# Altium PCB qwq.pcbdoc (part 3 of 3) (continued)
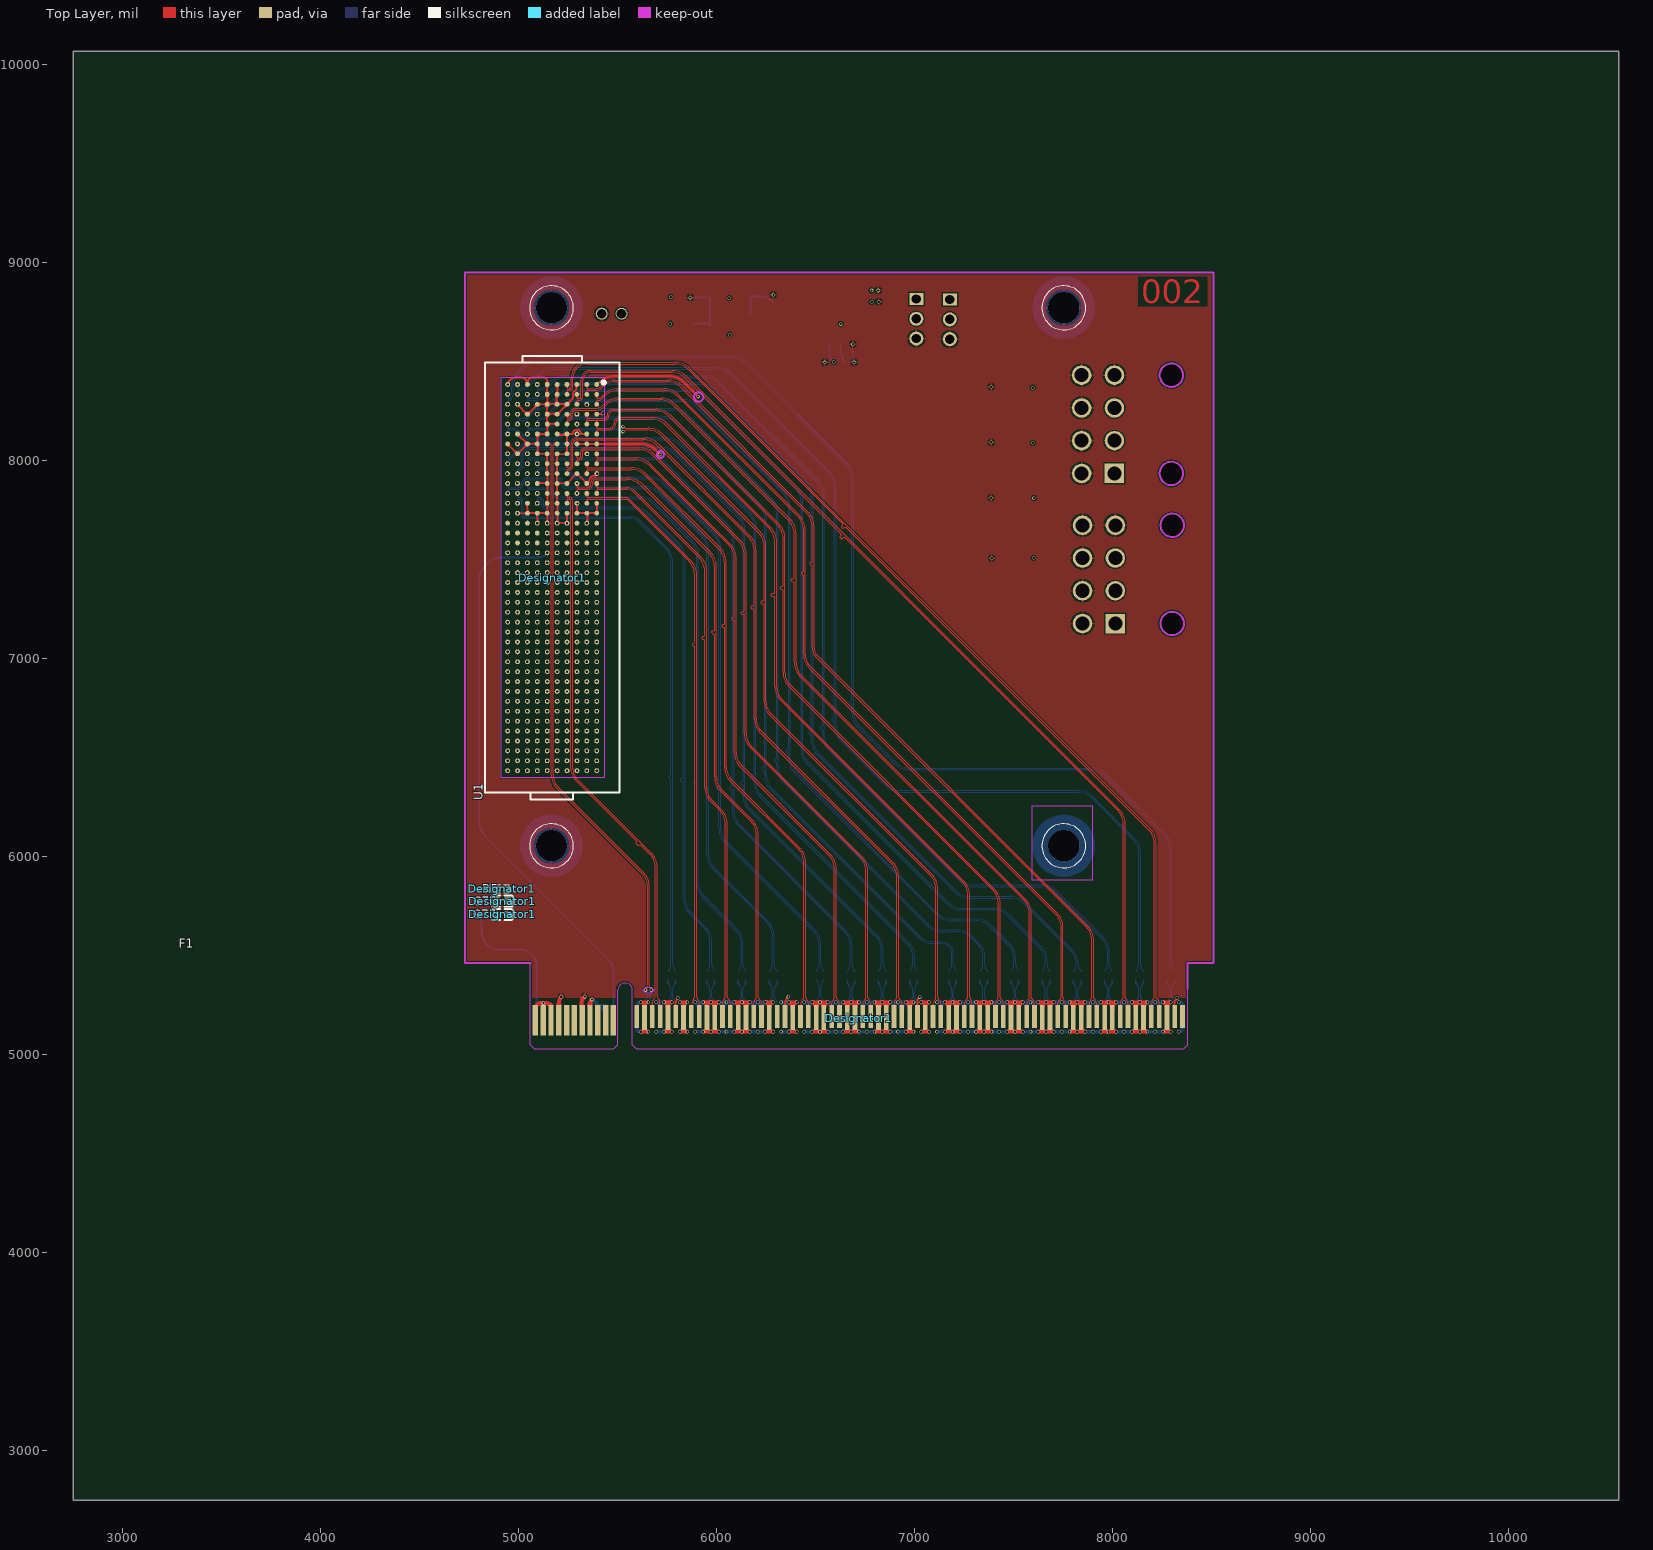
[diagram p0: Top Layer view]
## Nets (pads, with @x,y where several pads share a name; then routed paths per layer and width w, separated by ;. In a path a pad name is that pad's centre, name@x,y a point inside that pad or via, vN(x,y) a via of type N, cw(c..) or ccw(c..) an arc to the next point about the centre after c; other vN are vias at no path point) (continued)
TX1+: Designator1.2@5950.32,5419.39 Designator1.G13 | length 3060.6
  Bottom Layer w5.2: v1(5093.77,7782.76) 5093.77,7796.89 cw(c5100.04,7796.89) 5095.6,7801.33 cw(c5100.04,7796.89) 5100.04,7803.16 5104.56,7803.16 cw(c5104.56,7790.89) 5116.84,7790.89 5116.84,7772.29 ccw(c5133.47,7772.29) 5133.47,7755.66 5582.48,7755.66 cw(c5582.48,7664.86) 5646.69,7729.07 5803.97,7571.79 cw(c5739.76,7507.58) 5830.56,7507.58 5830.56,6398.06 5826.89,6394.38 5822.84,6394.38 5819.16,6390.7 5819.16,6383.06 5822.84,6379.38 5826.89,6379.38 5830.56,6375.7 5830.56,5783.93 ccw(c5930.56,5783.93) 5859.85,5713.22 5938.78,5634.3 cw(c5874.57,5570.09) 5965.37,5570.09 5965.37,5455.74 cw(c5913.97,5455.74) Designator1.2@5950.32,5419.39
TX1-: Designator1.2@5989.63,5419.39 Designator1.G12 | length 3060.9
  Bottom Layer w5.2: v1(5093.77,7832.76) 5093.77,7818.64 ccw(c5100.04,7818.64) 5095.6,7814.2 ccw(c5100.04,7818.64) 5100.04,7812.36 5104.56,7812.36 cw(c5104.56,7790.89) 5126.04,7790.89 5126.04,7772.29 ccw(c5133.47,7772.29) 5133.47,7764.86 5582.48,7764.86 cw(c5582.48,7664.86) 5653.19,7735.57 5810.47,7578.29 cw(c5739.76,7507.58) 5839.76,7507.58 5839.76,5783.93 ccw(c5930.56,5783.93) 5866.36,5719.73 5945.29,5640.8 cw(c5874.57,5570.09) 5974.57,5570.09 5974.57,5455.74 ccw(c6025.98,5455.74) Designator1.2@5989.63,5419.39
TX2+: Designator1.2@6107.77,5419.39 Designator1.H12 | length 3238.3
  Bottom Layer w5.2: v1(5043.77,7832.76) 5043.77,7846.89 cw(c5050.04,7846.89) 5045.6,7851.33 cw(c5050.04,7846.89) 5050.04,7853.16 5147.96,7853.16 cw(c5147.96,7834.83) 5166.3,7834.83 5166.3,7832.92 ccw(c5193.07,7832.92) 5193.07,7806.15 5614.94,7806.15 cw(c5614.94,7715.35) 5679.15,7779.55 5871.54,7587.16 cw(c5807.33,7522.95) 5898.13,7522.95 5898.13,6389.84 5894.46,6386.17 5890.2,6386.17 5886.52,6382.49 5886.52,6374.84 5890.2,6371.17 5894.46,6371.17 5898.13,6367.49 5898.13,5864.8 ccw(c5998.13,5864.8) 5927.42,5794.09 6096.25,5625.26 cw(c6032.04,5561.06) 6122.84,5561.06 6122.84,5455.77 cw(c6071.39,5455.77) Designator1.2@6107.77,5419.39
TX2-: Designator1.2@6147.11,5419.39 Designator1.H11 | length 3238.2
  Bottom Layer w5.2: v1(5043.77,7882.76) 5043.77,7868.64 ccw(c5050.04,7868.64) 5045.6,7864.2 ccw(c5050.04,7868.64) 5050.04,7862.36 5147.96,7862.36 cw(c5147.96,7834.83) 5175.5,7834.83 5175.5,7832.92 ccw(c5193.07,7832.92) 5193.07,7815.35 5614.94,7815.35 cw(c5614.94,7715.35) 5685.65,7786.06 5878.05,7593.67 cw(c5807.33,7522.95) 5907.33,7522.95 5907.33,5864.8 ccw(c5998.13,5864.8) 5933.93,5800.59 6102.75,5631.77 cw(c6032.04,5561.06) 6132.04,5561.06 6132.04,5455.77 ccw(c6183.49,5455.77) Designator1.2@6147.11,5419.39
TX3+: Designator1.2@6265.23,5419.39 Designator1.K12 | length 3500.9
  Bottom Layer w5.2: v1(4943.77,7832.76) 4943.77,7846.89 cw(c4950.04,7846.89) 4945.6,7851.33 cw(c4950.04,7846.89) 4950.04,7853.16 4997.91,7853.16 ccw(c4997.91,7878.4) 5023.15,7878.4 5023.15,7883.19 cw(c5041.8,7883.19) 5041.8,7901.84 5205.42,7901.84 cw(c5205.42,7891.78) 5215.48,7891.78 5215.48,7882.7 ccw(c5241.62,7882.7) 5241.62,7856.56 5644.38,7856.56 cw(c5644.38,7765.76) 5708.58,7829.97 5923.35,7615.2 cw(c5859.15,7550.99) 5949.95,7550.99 5949.95,6377.43 5946.27,6373.76 5943.1,6373.76 5939.43,6370.08 5939.43,6362.43 5943.1,6358.76 5946.27,6358.76 5949.95,6355.08 5949.95,6009.28 ccw(c6049.95,6009.28) 5979.24,5938.57 6253.71,5664.1 cw(c6189.51,5599.89) 6280.31,5599.89 6280.31,5455.8 cw(c6228.82,5455.8) Designator1.2@6265.23,5419.39
TX3-: Designator1.2@6304.59,5419.39 Designator1.K11 | length 3503
  Bottom Layer w5.2: v1(4943.77,7882.76) 4943.77,7868.64 ccw(c4950.04,7868.64) 4945.6,7864.2 ccw(c4950.04,7868.64) 4950.04,7862.36 4997.91,7862.36 ccw(c4997.91,7878.4) 5013.95,7878.4 5013.95,7883.19 cw(c5041.8,7883.19) 5041.8,7911.04 5205.42,7911.04 cw(c5205.42,7891.78) 5224.68,7891.78 5224.68,7882.7 ccw(c5241.62,7882.7) 5241.62,7865.76 5644.38,7865.76 cw(c5644.38,7765.76) 5715.09,7836.47 5929.86,7621.7 cw(c5859.15,7550.99) 5959.15,7550.99 5959.15,6009.28 ccw(c6049.95,6009.28) 5985.74,5945.08 6260.22,5670.6 cw(c6189.51,5599.89) 6289.51,5599.89 6289.51,5455.8 ccw(c6341,5455.8) Designator1.2@6304.59,5419.39
TX4+: Designator1.2@6501.28,5419.39 Designator1.G10 | length 3480.7
  Bottom Layer w5.2: v1(5093.77,7932.76) 5093.77,7946.89 cw(c5100.04,7946.89) 5095.6,7951.33 cw(c5100.04,7946.89) 5100.04,7953.16 5237.84,7953.16 cw(c5237.84,7929.74) 5261.27,7929.74 5261.27,7927.83 ccw(c5282.65,7927.83) 5282.65,7906.44 5665.17,7906.44 cw(c5665.17,7815.64) 5729.37,7879.85 5984.14,7625.08 cw(c5919.94,7560.87) 6010.74,7560.87 6010.74,6356.67 6007.06,6353 6002.87,6353 5999.19,6349.32 5999.19,6341.67 6002.87,6338 6007.06,6338 6010.74,6334.32 6010.74,6139.76 ccw(c6110.74,6139.76) 6040.03,6069.05 6489.76,5619.31 cw(c6425.56,5555.11) 6516.36,5555.11 6516.36,5455.8 cw(c6464.87,5455.8) Designator1.2@6501.28,5419.39
TX4-: Designator1.2@6540.64,5419.39 Designator1.G9 | length 3480.7
  Bottom Layer w5.2: v1(5093.77,7982.76) 5093.77,7968.64 ccw(c5100.04,7968.64) 5095.6,7964.2 ccw(c5100.04,7968.64) 5100.04,7962.36 5237.84,7962.36 cw(c5237.84,7929.74) 5270.47,7929.74 5270.47,7927.83 ccw(c5282.65,7927.83) 5282.65,7915.64 5665.17,7915.64 cw(c5665.17,7815.64) 5735.88,7886.35 5990.65,7631.58 cw(c5919.94,7560.87) 6019.94,7560.87 6019.94,6139.76 ccw(c6110.74,6139.76) 6046.53,6075.56 6496.27,5625.82 cw(c6425.56,5555.11) 6525.56,5555.11 6525.56,5455.8 ccw(c6577.05,5455.8) Designator1.2@6540.64,5419.39
TX5+: Designator1.2@6658.92,5419.39 Designator1.H9 | length 3672.6
  Bottom Layer w5.2: v1(5043.77,7982.76) 5043.77,7996.89 cw(c5050.04,7996.89) 5045.6,8001.33 cw(c5050.04,7996.89) 5050.04,8003.16 5676.69,8003.16 cw(c5676.69,7912.36) 5740.9,7976.57 6051.24,7666.23 cw(c5987.03,7602.02) 6077.83,7602.02 6077.83,6354.64 6074.16,6350.96 6069.66,6350.96 6065.99,6347.28 6065.99,6339.64 6069.66,6335.96 6074.16,6335.96 6077.83,6332.28 6077.83,6227.61 ccw(c6177.83,6227.61) 6107.12,6156.9 6647.31,5616.72 cw(c6583.1,5552.51) 6673.9,5552.51 6673.9,5455.56 cw(c6622.75,5455.56) Designator1.2@6658.92,5419.39
TX5-: Designator1.2@6698.08,5419.39 Designator1.H8 | length 3671.9
  Bottom Layer w5.2: v1(5043.77,8032.76) 5043.77,8018.64 ccw(c5050.04,8018.64) 5045.6,8014.2 ccw(c5050.04,8018.64) 5050.04,8012.36 5676.69,8012.36 cw(c5676.69,7912.36) 5747.41,7983.08 6057.75,7672.74 cw(c5987.03,7602.02) 6087.03,7602.02 6087.03,6227.61 ccw(c6177.83,6227.61) 6113.63,6163.4 6653.81,5623.22 cw(c6583.1,5552.51) 6683.1,5552.51 6683.1,5455.56 ccw(c6734.25,5455.56) Designator1.2@6698.08,5419.39
TX6+: Designator1.2@6816.4,5419.39 Designator1.J10 | length 3951
  Bottom Layer w5.2: v1(4993.77,7932.76) 4993.77,7946.89 cw(c5000.04,7946.89) 4995.6,7951.33 cw(c5000.04,7946.89) 5000.04,7953.16 5004.43,7953.16 ccw(c5004.43,7971.3) 5022.57,7971.3 5022.57,8030.76 cw(c5047.45,8030.76) 5047.45,8055.64 5726.2,8055.64 cw(c5726.2,7964.84) 5790.41,8029.05 6106.01,7713.44 cw(c6041.81,7649.24) 6132.61,7649.24 6132.61,6379.27 6128.93,6375.59 6125.61,6375.59 6121.93,6371.92 6121.93,6364.27 6125.61,6360.59 6128.93,6360.59 6132.61,6356.92 6132.61,6305.42 ccw(c6232.61,6305.42) 6161.9,6234.71 6804.89,5591.72 cw(c6740.69,5527.51) 6831.49,5527.51 6831.49,5455.81 cw(c6779.98,5455.81) Designator1.2@6816.4,5419.39
TX6-: Designator1.2@6855.77,5419.39 Designator1.J9 | length 3952.7
  Bottom Layer w5.2: v1(4993.77,7982.76) 4993.77,7968.64 ccw(c5000.04,7968.64) 4995.6,7964.2 ccw(c5000.04,7968.64) 5000.04,7962.36 5004.43,7962.36 ccw(c5004.43,7971.3) 5013.37,7971.3 5013.37,8030.76 cw(c5047.45,8030.76) 5047.45,8064.84 5726.2,8064.84 cw(c5726.2,7964.84) 5796.92,8035.55 6112.52,7719.95 cw(c6041.81,7649.24) 6141.81,7649.24 6141.81,6305.42 ccw(c6232.61,6305.42) 6168.4,6241.21 6811.4,5598.22 cw(c6740.69,5527.51) 6840.69,5527.51 6840.69,5455.81 ccw(c6892.19,5455.81) Designator1.2@6855.77,5419.39
TX7+: Designator1.2@6974.02,5419.39 Designator1.K9 | length 4081.8
  Bottom Layer w5.2: v1(4943.77,7982.76) 4943.77,7996.89 cw(c4950.04,7996.89) 4945.6,8001.33 cw(c4950.04,7996.89) 4950.04,8003.16 4950.97,8003.16 ccw(c4950.97,8017.35) 4961,8007.32 5014.56,8060.87 cw(c5057.19,8018.24) 5057.19,8078.53 5229.34,8078.53 ccw(c5229.34,8133.43) 5268.16,8094.61 5268.83,8095.28 cw(c5288.34,8075.77) 5288.34,8103.36 5751.65,8103.36 cw(c5751.65,8012.56) 5815.85,8076.77 6162,7730.62 cw(c6097.79,7666.42) 6188.59,7666.42 6188.59,6416.22 6184.92,6412.55 6180.52,6412.55 6176.84,6408.87 6176.84,6401.22 6180.52,6397.55 6184.92,6397.55 6188.59,6393.87 6188.59,6372 ccw(c6288.59,6372) 6217.88,6301.28 6962.51,5556.66 cw(c6898.3,5492.46) 6989.1,5492.46 6989.1,5455.81 cw(c6937.6,5455.81) Designator1.2@6974.02,5419.39
TX7-: Designator1.2@7013.39,5419.39 Designator1.K8 | length 4081.4
  Bottom Layer w5.2: v1(4943.77,8032.76) 4943.77,8018.64 ccw(c4950.04,8018.64) 4945.6,8014.2 ccw(c4950.04,8018.64) 4950.04,8012.36 4950.97,8012.36 ccw(c4950.97,8017.35) 4954.5,8013.82 5008.05,8067.38 cw(c5057.19,8018.24) 5057.19,8087.73 5229.34,8087.73 ccw(c5229.34,8133.43) 5261.65,8101.11 5262.33,8101.78 cw(c5288.34,8075.77) 5288.34,8112.56 5751.65,8112.56 cw(c5751.65,8012.56) 5822.36,8083.27 6168.5,7737.13 cw(c6097.79,7666.42) 6197.79,7666.42 6197.79,6372 ccw(c6288.59,6372) 6224.39,6307.79 6969.01,5563.17 cw(c6898.3,5492.46) 6998.3,5492.46 6998.3,5455.81 ccw(c7049.8,5455.81) Designator1.2@7013.39,5419.39
TX8+: Designator1.2@7170.73,5419.39 Designator1.K6 | length 4357.8
  Bottom Layer w5.2: v1(4943.77,8132.76) 4943.77,8146.89 cw(c4950.04,8146.89) 4945.6,8151.33 cw(c4950.04,8146.89) 4950.04,8153.16 4954.83,8153.16 cw(c4954.83,8087.67) 5001.14,8133.98 5012.48,8122.64 ccw(c5058.75,8168.92) 5058.75,8103.47 5181.15,8103.47 ccw(c5181.15,8151.37) 5215.02,8117.5 5228.05,8130.53 ccw(c5182.6,8175.98) 5246.87,8175.98 5246.87,8176.85 cw(c5271.45,8176.85) 5254.07,8194.23 5266.84,8207 cw(c5274.29,8199.55) 5274.29,8210.09 5737.02,8210.09 cw(c5737.02,8119.29) 5801.22,8183.49 6214.67,7770.05 cw(c6150.46,7705.85) 6241.26,7705.85 6241.26,6454.72 6237.58,6451.04 6233.9,6451.04 6230.22,6447.36 6230.22,6439.72 6233.9,6436.04 6237.58,6436.04 6241.26,6432.36 6241.26,6408.64 ccw(c6341.26,6408.64) 6270.55,6337.93 7018.69,5589.79 ccw(c7089.4,5660.5) 7089.4,5560.5 7132.91,5560.5 cw(c7132.91,5507.6) 7185.82,5507.6 7185.82,5455.81 cw(c7134.31,5455.81) Designator1.2@7170.73,5419.39
TX8-: Designator1.2@7210.1,5419.39 Designator1.K5 | length 4358.7
  Bottom Layer w5.2: v1(4943.77,8182.76) 4943.77,8168.64 ccw(c4950.04,8168.64) 4945.6,8164.2 ccw(c4950.04,8168.64) 4950.04,8162.36 4954.83,8162.36 cw(c4954.83,8087.67) 5007.64,8140.49 5018.99,8129.15 ccw(c5058.75,8168.92) 5058.75,8112.67 5181.15,8112.67 ccw(c5181.15,8151.37) 5208.51,8124.01 5221.54,8137.04 ccw(c5182.6,8175.98) 5237.67,8175.98 5237.67,8176.85 cw(c5271.45,8176.85) 5247.57,8200.74 5260.34,8213.51 cw(c5274.29,8199.55) 5274.29,8219.29 5737.02,8219.29 cw(c5737.02,8119.29) 5807.73,8190 6221.17,7776.56 cw(c6150.46,7705.85) 6250.46,7705.85 6250.46,6408.64 ccw(c6341.26,6408.64) 6277.06,6344.43 7025.2,5596.29 ccw(c7089.4,5660.5) 7089.4,5569.7 7132.91,5569.7 cw(c7132.91,5507.6) 7195.02,5507.6 7195.02,5455.81 ccw(c7246.52,5455.81) Designator1.2@7210.1,5419.39
TX9+: Designator1.2@7328.12,5419.39 Designator1.H6 | length 4379.5
  Bottom Layer w5.2: v1(5043.77,8132.76) 5043.77,8146.89 cw(c5050.04,8146.89) 5045.6,8151.33 cw(c5050.04,8146.89) 5050.04,8153.16 5120.62,8153.16 ccw(c5120.62,8253.16) 5191.33,8182.45 5235.31,8226.43 cw(c5299.51,8162.23) 5299.51,8253.03 5781.02,8253.03 cw(c5781.02,8162.23) 5845.22,8226.43 6274.97,7796.68 cw(c6210.77,7732.48) 6301.57,7732.48 6301.57,6499.37 6297.89,6495.69 6293.43,6495.69 6289.75,6492.01 6289.75,6484.37 6293.43,6480.69 6297.89,6480.69 6301.57,6477.01 6301.57,6452.38 ccw(c6401.57,6452.38) 6330.86,6381.67 7063.37,5649.15 ccw(c7134.08,5719.86) 7134.08,5619.86 7214.54,5619.86 cw(c7214.54,5529.06) 7278.75,5593.27 7319.4,5552.61 cw(c7261.95,5495.16) 7343.2,5495.16 7343.2,5455.8 cw(c7291.71,5455.8) Designator1.2@7328.12,5419.39
TX9-: Designator1.2@7367.48,5419.39 Designator1.H5 | length 4378.9
  Bottom Layer w5.2: v1(5043.77,8182.76) 5043.77,8168.64 ccw(c5050.04,8168.64) 5045.6,8164.2 ccw(c5050.04,8168.64) 5050.04,8162.36 5120.62,8162.36 ccw(c5120.62,8253.16) 5184.82,8188.96 5228.8,8232.94 cw(c5299.51,8162.23) 5299.51,8262.23 5781.02,8262.23 cw(c5781.02,8162.23) 5851.73,8232.94 6281.48,7803.19 cw(c6210.77,7732.48) 6310.77,7732.48 6310.77,6452.38 ccw(c6401.57,6452.38) 6337.36,6388.17 7069.88,5655.66 ccw(c7134.08,5719.86) 7134.08,5629.06 7214.54,5629.06 cw(c7214.54,5529.06) 7285.25,5599.77 7325.91,5559.12 cw(c7261.95,5495.16) 7352.4,5495.16 7352.4,5455.8 ccw(c7403.89,5455.8) Designator1.2@7367.48,5419.39
TX10+: Designator1.2@7485.56,5419.39 Designator1.G5 | length 4496.9
  Bottom Layer w5.2: v1(5093.77,8182.76) 5093.77,8197.03 cw(c5100.04,8197.03) 5095.6,8201.47 cw(c5100.04,8197.03) 5100.04,8203.31 5103.59,8203.31 ccw(c5103.59,8266.15) 5148.03,8221.71 5197.05,8270.74 cw(c5261.26,8206.53) 5261.26,8297.33 5830.5,8297.33 cw(c5830.5,8206.53) 5894.71,8270.74 6335.51,7829.94 cw(c6271.3,7765.73) 6362.1,7765.73 6362.1,6542.48 6358.42,6538.8 6353.48,6538.8 6349.8,6535.12 6349.8,6527.48 6353.48,6523.8 6358.42,6523.8 6362.1,6520.12 6362.1,6493.29 ccw(c6462.1,6493.29) 6391.39,6422.58 7109.76,5704.21 ccw(c7180.47,5774.92) 7180.47,5674.92 7310.43,5674.92 cw(c7310.43,5584.12) 7374.63,5648.32 7474.05,5548.9 cw(c7409.85,5484.7) 7500.65,5484.7 7500.65,5455.8 cw(c7449.15,5455.8) Designator1.2@7485.56,5419.39
TX10-: Designator1.2@7524.93,5419.39 Designator1.G4 | length 4495.4
  Bottom Layer w5.2: v1(5093.58,8233.05) 5093.58,8219.09 ccw(c5100.17,8219.09) 5095.51,8214.44 ccw(c5100.17,8219.09) 5100.17,8212.51 5103.59,8212.51 ccw(c5103.59,8266.15) 5141.52,8228.22 5190.55,8277.24 cw(c5261.26,8206.53) 5261.26,8306.53 5830.5,8306.53 cw(c5830.5,8206.53) 5901.21,8277.24 6342.01,7836.44 cw(c6271.3,7765.73) 6371.3,7765.73 6371.3,6493.29 ccw(c6462.1,6493.29) 6397.9,6429.08 7116.27,5710.71 ccw(c7180.47,5774.92) 7180.47,5684.12 7310.43,5684.12 cw(c7310.43,5584.12) 7381.14,5654.83 7480.56,5555.41 cw(c7409.85,5484.7) 7509.85,5484.7 7509.85,5455.8 ccw(c7561.35,5455.8) Designator1.2@7524.93,5419.39
TX11+: Designator1.2@7643.01,5419.39 Designator1.J5 | length 4773.5
  Bottom Layer w5.2: v1(4993.77,8182.76) 4993.77,8196.89 cw(c5000.04,8196.89) 4995.6,8201.33 cw(c5000.04,8196.89) 5000.04,8203.16 5028.36,8203.16 ccw(c5028.36,8225.53) 5044.17,8209.71 5085.23,8250.78 cw(c5092.94,8243.07) 5092.94,8253.97 5093.84,8253.97 ccw(c5093.84,8353.51) 5164.22,8283.12 5205.26,8324.15 cw(c5263.33,8266.08) 5263.33,8348.21 5868.41,8348.21 cw(c5868.41,8257.41) 5932.61,8321.61 6399.09,7855.13 cw(c6334.88,7790.93) 6425.68,7790.93 6425.68,6582 6422.01,6578.32 6417.63,6578.32 6413.96,6574.64 6413.96,6567 6417.63,6563.32 6422.01,6563.32 6425.68,6559.64 6425.68,6538.57 ccw(c6525.68,6538.57) 6454.97,6467.86 7164.17,5758.67 ccw(c7234.88,5829.38) 7234.88,5729.38 7400.83,5729.38 cw(c7400.83,5638.58) 7465.04,5702.78 7631.58,5536.24 cw(c7567.38,5472.03) 7658.18,5472.03 7658.18,5455.99 cw(c7606.41,5455.99) Designator1.2@7643.01,5419.39
TX11-: Designator1.2@7682.54,5419.39 Designator1.J4 | length 4773.2
  Bottom Layer w5.2: v1(4993.77,8232.76) 4993.77,8218.64 ccw(c5000.04,8218.64) 4995.6,8214.2 ccw(c5000.04,8218.64) 5000.04,8212.36 5028.36,8212.36 ccw(c5028.36,8225.53) 5037.67,8216.22 5078.73,8257.28 cw(c5092.94,8243.07) 5092.94,8263.17 5093.84,8263.17 ccw(c5093.84,8353.51) 5157.72,8289.63 5198.75,8330.66 cw(c5263.33,8266.08) 5263.33,8357.41 5868.41,8357.41 cw(c5868.41,8257.41) 5939.12,8328.12 6405.6,7861.64 cw(c6334.88,7790.93) 6434.88,7790.93 6434.88,6538.57 ccw(c6525.68,6538.57) 6461.48,6474.37 7170.67,5765.17 ccw(c7234.88,5829.38) 7234.88,5738.58 7400.83,5738.58 cw(c7400.83,5638.58) 7471.54,5709.29 7638.09,5542.74 cw(c7567.38,5472.03) 7667.38,5472.03 7667.38,5455.99 ccw(c7719.15,5455.99) Designator1.2@7682.54,5419.39
TX12+: Designator1.2@7800.65,5419.39 Designator1.H3 | length 4847
  Bottom Layer w5.2: v1(5043.77,8282.76) 5043.77,8296.89 cw(c5050.04,8296.89) 5045.6,8301.33 cw(c5050.04,8296.89) 5050.04,8303.16 5083.56,8303.16 ccw(c5083.56,8403.16) 5154.27,8332.45 5178.26,8356.45 cw(c5242.46,8292.24) 5242.46,8383.04 5907.49,8383.04 cw(c5907.49,8292.24) 5971.7,8356.45 6451.09,7877.06 cw(c6386.88,7812.85) 6477.68,7812.85 6477.68,6636.4 6474.01,6632.72 6469.47,6632.72 6465.79,6629.05 6465.79,6621.4 6469.47,6617.72 6474.01,6617.72 6477.68,6614.05 6477.68,6584.47 ccw(c6577.68,6584.47) 6506.97,6513.76 7202.24,5818.49 ccw(c7272.95,5889.2) 7272.95,5789.2 7483.44,5789.2 cw(c7483.44,5698.4) 7547.64,5762.61 7789.14,5521.11 cw(c7724.94,5456.91) 7815.74,5456.91 7815.74,5455.81 cw(c7764.23,5455.81) Designator1.2@7800.65,5419.39
TX12-: Designator1.2@7840.02,5419.39 Designator1.H2 | length 4846.3
  Bottom Layer w5.2: v1(5043.77,8332.76) 5043.77,8318.64 ccw(c5050.04,8318.64) 5045.6,8314.2 ccw(c5050.04,8318.64) 5050.04,8312.36 5083.56,8312.36 ccw(c5083.56,8403.16) 5147.76,8338.96 5171.75,8362.95 cw(c5242.46,8292.24) 5242.46,8392.24 5907.49,8392.24 cw(c5907.49,8292.24) 5978.2,8362.95 6457.59,7883.56 cw(c6386.88,7812.85) 6486.88,7812.85 6486.88,6584.47 ccw(c6577.68,6584.47) 6513.48,6520.27 7208.75,5825 ccw(c7272.95,5889.2) 7272.95,5798.4 7483.44,5798.4 cw(c7483.44,5698.4) 7554.15,5769.12 7795.65,5527.62 cw(c7724.94,5456.91) 7824.94,5456.91 7824.94,5455.81 ccw(c7876.44,5455.81) Designator1.2@7840.02,5419.39
TX13+: Designator1.2@7958.12,5419.39 Designator1.G2 | length 4992.9
  Bottom Layer w5.2: v1(5093.77,8332.76) 5093.77,8346.89 cw(c5100.04,8346.89) 5095.6,8351.33 cw(c5100.04,8346.89) 5100.04,8353.16 5103.57,8353.16 ccw(c5103.57,8414.52) 5146.95,8371.13 5166.04,8390.22 cw(c5230.25,8326.02) 5230.25,8416.82 5948.78,8416.82 cw(c5948.78,8342.01) 6001.68,8394.91 6507.52,7889.07 cw(c6443.31,7824.86) 6534.11,7824.86 6534.11,6661.03 6530.44,6657.36 6525.41,6657.36 6521.73,6653.68 6521.73,6646.03 6525.41,6642.36 6530.44,6642.36 6534.11,6638.68 6534.11,6609.5 ccw(c6634.11,6609.5) 6563.4,6538.79 7225.21,5876.98 ccw(c7295.92,5947.69) 7295.92,5847.69 7642.99,5847.69 cw(c7642.99,5756.89) 7707.19,5821.1 7946.61,5581.68 cw(c7882.41,5517.47) 7973.21,5517.47 7973.21,5455.82 cw(c7921.68,5455.82) Designator1.2@7958.12,5419.39
TX13-: Designator1.2@7997.5,5419.39 Designator1.G1 | length 4991.2
  Bottom Layer w5.2: v1(5093.77,8382.76) 5093.77,8368.64 ccw(c5100.04,8368.64) 5095.6,8364.2 ccw(c5100.04,8368.64) 5100.04,8362.36 5103.57,8362.36 ccw(c5103.57,8414.52) 5140.45,8377.64 5159.54,8396.73 cw(c5230.25,8326.02) 5230.25,8426.02 5948.78,8426.02 cw(c5948.78,8342.01) 6008.18,8401.41 6514.02,7895.57 cw(c6443.31,7824.86) 6543.31,7824.86 6543.31,6609.5 ccw(c6634.11,6609.5) 6569.91,6545.3 7231.72,5883.49 ccw(c7295.92,5947.69) 7295.92,5856.89 7642.99,5856.89 cw(c7642.99,5756.89) 7713.7,5827.61 7953.12,5588.18 cw(c7882.41,5517.47) 7982.41,5517.47 7982.41,5455.82 ccw(c8033.94,5455.82) Designator1.2@7997.5,5419.39
TX14+: Designator1.2@8115.61,5419.39 Designator1.J2 | length 5573.4
  Bottom Layer w5.2: v1(4993.77,8332.76) 4993.77,8346.89 cw(c5000.04,8346.89) 4995.6,8351.33 cw(c5000.04,8346.89) 5000.04,8353.16 5003.61,8353.16 ccw(c5003.61,8417.4) 5049.03,8371.98 5111.01,8433.95 cw(c5175.21,8369.75) 5175.21,8460.55 6002.41,8460.55 cw(c6002.41,8369.75) 6066.62,8433.95 6566.83,7933.74 cw(c6502.62,7869.53) 6593.42,7869.53 6593.42,6702.57 6589.74,6698.89 6587.02,6698.89 6583.34,6695.22 6583.34,6687.57 6587.02,6683.89 6589.74,6683.89 6593.42,6680.22 6593.42,6657.01 ccw(c6693.42,6657.01) 6622.71,6586.3 6855.11,6353.91 ccw(c6925.82,6424.62) 6925.82,6324.62 7825.36,6324.62 cw(c7825.36,6233.82) 7889.57,6298.02 8103.98,6083.61 cw(c8039.77,6019.41) 8130.57,6019.41 8130.57,5455.51 cw(c8079.49,5455.51) Designator1.2@8115.61,5419.39
TX14-: Designator1.2@8154.74,5419.39 Designator1.J1 | length 5576.3
  Bottom Layer w5.2: v1(4993.77,8382.76) 4993.77,8368.64 ccw(c5000.04,8368.64) 4995.6,8364.2 ccw(c5000.04,8368.64) 5000.04,8362.36 5003.61,8362.36 ccw(c5003.61,8417.4) 5042.53,8378.48 5104.5,8440.46 cw(c5175.21,8369.75) 5175.21,8469.75 6002.41,8469.75 cw(c6002.41,8369.75) 6073.12,8440.46 6573.33,7940.25 cw(c6502.62,7869.53) 6602.62,7869.53 6602.62,6657.01 ccw(c6693.42,6657.01) 6629.22,6592.81 6861.61,6360.41 ccw(c6925.82,6424.62) 6925.82,6333.82 7825.36,6333.82 cw(c7825.36,6233.82) 7896.07,6304.53 8110.48,6090.12 cw(c8039.77,6019.41) 8139.77,6019.41 8139.77,5455.51 ccw(c8190.86,5455.51) Designator1.2@8154.74,5419.39
TX15+: Designator1.2@8273.1,5419.39 Designator1.K3 | length 5899.3
  Bottom Layer w5.2: v1(4943.77,8282.76) 4943.77,8296.89 cw(c4950.04,8296.89) 4945.6,8301.33 cw(c4950.04,8296.89) 4950.04,8303.16 ccw(c4950.04,8318.64) 4960.99,8307.7 ccw(c4932.5,8336.18) 4972.79,8336.18 4972.79,8373.48 cw(c5063.59,8373.48) 4999.38,8437.69 5052.63,8490.94 cw(c5116.84,8426.73) 5116.84,8517.53 6077.41,8517.53 cw(c6077.41,8426.73) 6141.61,8490.94 6655.8,7976.75 cw(c6591.6,7912.54) 6682.4,7912.54 6682.4,6790.33 6678.72,6786.66 6674.01,6786.66 6670.33,6782.98 6670.33,6775.33 6674.01,6771.66 6678.72,6771.66 6682.4,6767.98 6682.4,6723.77 ccw(c6782.4,6723.77) 6711.69,6653.06 6898.53,6466.22 ccw(c6969.24,6536.93) 6969.24,6436.93 7887.96,6436.93 cw(c7887.96,6346.13) 7952.16,6410.34 8261.59,6100.91 cw(c8197.39,6036.7) 8288.19,6036.7 8288.19,5455.81 cw(c8236.68,5455.81) Designator1.2@8273.1,5419.39
TX15-: Designator1.2@8312.47,5419.39 Designator1.K2 | length 5898.2
  Bottom Layer w5.2: v1(4943.77,8332.76) 4943.77,8318.64 ccw(c4950.04,8318.64) 4945.6,8314.2 ccw(c4950.04,8318.64) 4950.04,8312.36 ccw(c4950.04,8318.64) 4954.48,8314.2 ccw(c4932.5,8336.18) 4963.59,8336.18 4963.59,8373.48 cw(c5063.59,8373.48) 4992.88,8444.19 5046.12,8497.44 cw(c5116.84,8426.73) 5116.84,8526.73 6077.41,8526.73 cw(c6077.41,8426.73) 6148.12,8497.44 6662.31,7983.25 cw(c6591.6,7912.54) 6691.6,7912.54 6691.6,6723.77 ccw(c6782.4,6723.77) 6718.19,6659.57 6905.03,6472.73 ccw(c6969.24,6536.93) 6969.24,6446.13 7887.96,6446.13 cw(c7887.96,6346.13) 7958.67,6416.84 8268.1,6107.41 cw(c8197.39,6036.7) 8297.39,6036.7 8297.39,5455.81 ccw(c8348.89,5455.81) Designator1.2@8312.47,5419.39
pads on no net: Designator1.6@5665.59,8679.53 Designator1.6@5665.59,8824.81 Designator1.A5@5241.57,5173.35 Designator1.A6@5280.94,5173.35 Designator1.A7@5320.31,5173.35 Designator1.A8@5359.68,5173.35 Designator1.A15@5393.77,7682.76 Designator1.A16@5393.77,7632.76 Designator1.A19@5871.49,5191.27 Designator1.A32@6383.3,5191.27 Designator1.A33@6422.67,5191.27 Designator1.A50 Designator1.B5@5241.57,5173.35 Designator1.B6@5280.94,5173.35 Designator1.B9@5399.05,5173.35 Designator1.B10@5438.42,5173.35 Designator1.B11@5477.79,5173.35 Designator1.B12@5595.9,5191.27 Designator1.B16@5343.77,7632.76 Designator1.B17@5343.77,7582.76 Designator1.B30@6304.56,5191.27 Designator1.B82 Designator1.C15 Designator1.C16 Designator1.D16 Designator1.D17 Designator1.G16 Designator1.G17 Designator1.H15 Designator1.H16 Designator1.J16 Designator1.J17 Designator1.K15 Designator1.K16

## Polygon pours and split planes (outlines as drawn)
+12V on Inner3 "Inner3-+12V" (solid, remove dead copper, pour order 10): 4858.69,5801.49 4908.69,5801.49 4908.69,5679.19 4858.69,5679.19
+1V8 on Inner3 "Inner3-+1V8" (solid, pour order 14): 6944.79,8872.14 7237.36,8872.14 7237.36,8759.35 6944.79,8759.35
+5V on Inner3 "Inner3-+5V" (solid, remove dead copper, pour order 15): 4920.27,7462.01 5174.61,7462.01 5174.61,7407.97 4920.27,7407.97
+12V on Inner3 "Inner3-+12V 1" (solid, remove dead copper, pour order 16): 6029.9,8852.56 6099.27,8852.56 6099.27,8609.01 6029.9,8609.01
+5V on Inner3 "Inner3-+5V 1" (solid, remove dead copper, pour order 17): 5551.17,8862.08 6555.33,8862.08 cw(c6555.33,8802.08) 6615.33,8802.08 6615.33,8499.82 cw(c6555.33,8499.82) 6555.33,8439.82 5551.17,8439.82 cw(c5551.17,8499.82) 5491.17,8499.82 5491.17,8802.08 cw(c5551.17,8802.08)
GND on Inner3 "Inner3-GND" (solid, remove dead copper, pour order 18): 4505.21,9132.8 9161.78,9132.8 9161.78,5273.87 4505.21,5273.87
+12V on Inner3 "Inner3-+12V 2" (solid, remove dead copper, pour order 19): 4841.27,7408.98 5561.04,7408.98 5561.04,7408.64 7427.15,8551.91 cw(c7450.66,8513.53) 7450.66,8558.53 8157.73,8558.53 cw(c8157.73,8513.53) 8202.73,8513.53 8202.73,7021.99 cw(c8157.73,7021.99) 8157.73,6976.99 7452.25,6976.99 ccw(c7452.25,6931.99) 7428.81,6970.4 5571.74,5837.3 cw(c5548.3,5875.71) 5548.5,5830.71 4841.47,5827.63 cw(c4841.27,5872.63) 4796.27,5872.63 4796.27,7363.98 cw(c4841.27,7363.98)
GND on Mid-Layer 4 "Mid-Layer 4-GND" (solid, pour order 11): 4190.46,9261.4 8781.57,9261.4 8781.57,5254.48 4190.46,5254.48
GND on Inner1 "Inner1-GND" (solid, pour order 13): 4651.41,9019.08 8697.35,9019.08 8697.35,5254.5 4651.41,5254.5
GND on Bottom Layer "Bottom Layer-GND" (solid, remove dead copper, pour order 12): 4238.9,9315.87 9073.28,9315.87 9073.28,5277.46 4238.9,5277.46
GND on Top Layer "Top Layer-GND" (solid, remove dead copper, pour order 9): 4530.9,9118.75 8659.05,9118.75 8659.05,5286.94 4530.9,5286.94

## Keep-outs
Top Layer:
  circle w10: c5908.06,8319.52 r23.76
  circle w10: c5715.13,8028.7 r17.68
  region: 4910.86,8418.14 5430.48,8418.14 5430.48,6397.38 4910.86,6397.38 4910.86,8418.14
  region: 7593.18,6255.44 7896.3,6255.44 7896.3,5880.16 7593.18,5880.16 7593.18,6255.44
Bottom Layer:
  circle w10: c5697.09,8040.61 r40.77
  region: 4924.06,8420.57 5447.78,8420.57 5447.78,6379.44 4924.06,6379.44 4924.06,8420.57
  region: 5893.5,8329.53 5918.85,8329.53 5918.85,8304.18 5893.5,8304.18 5893.5,8329.53
Board Outline Layer:
  region: 5684.66,5324.93 5669.81,5310.08 5640.1,5310.08 5625.25,5324.93 5640.1,5339.78 5669.81,5339.78
  lines w10: 8376.78,5330.88 8376.88,5330.88 8376.88,5461.22 ; 8376.78,5461.22 8376.88,5461.22 ; 5056.15,5461.22 5056.15,5460.11 5058.45,5460.11 5058.45,5461.22 5056.15,5461.22 ; 5056.15,5461.22 4727.76,5461.22 4727.76,8948.36 8506.95,8948.36 8506.95,5461.22 8376.88,5461.22

## Other copper
Top Layer:
  text "002" at 8143,8793 h120

## Silkscreen, mask and mechanical layers (free items; w line width, h text height)
Mechanical 6:
  text "1425.23 (mil)" at 5172.9,8916.03 h60
  text "261.548 (mil)" at 6075.21,8731.72 h60 r23.7
  text "3913.543 (mil)" at 6585.06,7372.27 h60 r270.06
  text "2419.822 (mil)" at 9594.06,7361.24 h60 r90
  text "3818.898 (mil)" at 3008.3,6922.59 h60 r90
  text "4375.984 (mil)" at 2882.87,6832.21 h60 r90
  text "3919.382 (mil)" at 6196.46,6611.46 h60 r90
  text "2122.047 (mil)" at 3167.75,6074.17 h60 r90
  text "800.722 (mil)" at 3408.21,5425.8 h60 r23.2
  text "5794.377 (mil)" at 5797.65,5107.84 h60
  text "5721.605 (mil)" at 5877.02,5092.49 h60 r0.53
  text "501.332 (mil)" at 3185.56,5057.01 h60 r5.01
  text "400.361 (mil)" at 3355.93,5033.13 h60 r66.8
  text "0 (mil)" at 5979.53,4871.16 h60
  text "5511.81 (mil)" at 6117.72,2575.69 h60

## Text inside footprints (layer, text, board x,y; h text height)
Designator1: Top Silkscreen Layer "R5" at 4815.42,5814.23 h45
Designator1: Top Silkscreen Layer "C77" at 4767.69,5684.39 h45
Designator1: Top Silkscreen Layer "C75" at 4770.45,5750.74 h45
Designator1: Top Silkscreen Layer "U1" at 4818.77,6282.76 h45 r90
Designator1: Top Silkscreen Layer "F1" at 3283.85,5539.82 h45
Designator1: Mechanical Layer "27.3" at 3000,9163.21 h179.92 r180; Mechanical Layer "26.8" at 3000,8833.49 h179.92 r180; Mechanical Layer "41.7" at 3000,5834.92 h179.92 r180; Mechanical Layer "41.2" at 3000,6156.33 h179.92 r180; Mechanical Layer "129.25" at 3573.1,9811.14 h184.79 r180; Mechanical Layer "129.25" at 3832.16,5340.27 h184.79 r180; Mechanical Layer "126.75" at 4686.22,9520.14 h184.79 r180; Mechanical Layer "96.6" at 5084.48,9808.47 h179.92 r180; Mechanical Layer "96.6" at 5117.6,5337.6 h179.92 r180; Mechanical Layer "30.9" at 7671.09,9808.47 h179.92 r180; Mechanical Layer "30.9" at 7704.21,5337.6 h179.92 r180; Mechanical Layer "0" at 8734.41,9815.9 h193.51 r180; Mechanical Layer "1.75" at 8956.52,9808.47 h179.92 r180; Mechanical Layer "1.75" at 8989.64,5337.6 h179.92 r180; Mechanical Layer "41.2" at 9944.93,6156.33 h179.92 r180; Mechanical Layer "41.7" at 9944.93,5819.89 h179.92 r180; Mechanical Layer "26.8" at 9944.93,8833.49 h179.92 r180; Mechanical Layer "27.3" at 9944.93,9162.48 h179.92 r180; Bottom Silkscreen Layer "U9" at 4723.57,7301.95 h45 r180; Mechanical 6 "68.898" at 8235.93,5773.69 h59.69 r180; Mechanical 6 "1.75" at 8285.43,5673.44 h59.23 r180; Mechanical 6 "246.063" at 8222.43,5552.76 h59.82 r180; Mechanical 6 "6.25" at 8297.43,5452.44 h59.23 r180; Mechanical 6 "1597.244" at 8305.93,4802.81 h59.91 r180; Mechanical 6 "3422.441" at 8305.93,4481.81 h59.91 r180; Mechanical 6 "3803.150" at 8323.93,4201.81 h59.91 r180; Mechanical 6 "86.93" at 8380.93,4381.59 h59.51 r180; Mechanical 6 "4990.158" at 8332.93,3677.81 h59.91 r180; Mechanical 6 "40.57" at 8380.93,4702.59 h59.51 r180; Mechanical 6 "4178.346" at 8332.93,3930.81 h59.91 r180; Mechanical 6 "106.13" at 8382.43,3830.69 h59.69 r180; Mechanical 6 "5088.583" at 8332.93,3424.81 h59.91 r180; Mechanical 6 "129.25" at 8382.43,3324.69 h59.69 r180; Mechanical 6 "126.75" at 8382.43,3577.69 h59.69 r180; Mechanical 6 "1216.535" at 8354.93,5042.81 h59.91 r180; Mechanical 6 "96.6" at 8424.43,4101.44 h59.23 r180; Mechanical 6 "5265.748" at 8346.93,3159.81 h59.91 r180; Mechanical 6 "133.75" at 8396.43,3059.69 h59.69 r180; Mechanical 6 "30.9" at 8455.43,4942.44 h59.23 r180; Mechanical 6 "835.827" at 8407.43,5286.76 h59.82 r180; Mechanical 6 "21.23" at 8456.93,5186.59 h59.51 r180; Mechanical 6 "22.2" at 9418.6,8263 h59.23 r90; Mechanical 6 "36.6" at 9418.6,7063 h59.23 r90; Mechanical 6 "874.016" at 9518.92,8338 h59.82 r90; Mechanical 6 "1440.945" at 9518.97,7163.5 h59.91 r90; Mechanical 6 "41.2" at 9653.6,7108 h59.23 r90; Mechanical 6 "26.8" at 9662.6,8236 h59.23 r90; Mechanical 6 "1622.047" at 9753.97,7208.5 h59.91 r90; Mechanical 6 "1055.118" at 9762.97,8336.5 h59.91 r90; Mechanical 6 "31.8" at 9889.6,8243 h59.23 r90; Mechanical 6 "46.2" at 9895.6,7097 h59.23 r90; Mechanical 6 "1251.969" at 9989.97,8343.5 h59.91 r90; Mechanical 6 "1818.898" at 9995.97,7197.5 h59.91 r90
Designator1: Bottom Silkscreen Layer "H2" at 6948.63,8868.65 h45 r90
Designator1: Bottom Silkscreen Layer "H3" at 7117.59,8865.54 h45 r90
Designator1: Bottom Silkscreen Layer "U4" at 7792.51,7783.19 h45 r90
Designator1: Bottom Silkscreen Layer "U3" at 7788.24,8541 h45 r90
Designator1: Bottom Silkscreen Layer "C102" at 6408.73,8513.51 h45 r180
Designator1: Bottom Silkscreen Layer "U6" at 6526.2,8754.88 h45 r90
Designator1: Bottom Silkscreen Layer "C103" at 6753.62,8501.7 h45 r180
Designator1: Bottom Silkscreen Layer "C61" at 5731.76,5449.11 h45 r270
Designator1: Bottom Silkscreen Layer "C62" at 5767.62,5460.33 h45 r270
Designator1: Bottom Silkscreen Layer "C1" at 5919.95,5473.42 h45 r270
Designator1: Bottom Silkscreen Layer "C2" at 5971.91,5476.67 h45 r270
Designator1: Bottom Silkscreen Layer "C3" at 6084.91,5455.71 h45 r270
Designator1: Bottom Silkscreen Layer "C4" at 6129.39,5466.82 h45 r270
Designator1: Bottom Silkscreen Layer "C5" at 6242.39,5467.9 h45 r270
Designator1: Bottom Silkscreen Layer "C6" at 6291.99,5460.03 h45 r270
Designator1: Bottom Silkscreen Layer "C7" at 6487.27,5452.16 h45 r270
Designator1: Bottom Silkscreen Layer "C8" at 6530.97,5460.03 h45 r270
Designator1: Bottom Silkscreen Layer "C9" at 6631.36,5460.92 h45 r270
Designator1: Bottom Silkscreen Layer "C10" at 6677.82,5459.64 h45 r270
Designator1: Bottom Silkscreen Layer "C11" at 6794.75,5447.14 h45 r270
Designator1: Bottom Silkscreen Layer "C12" at 6830.18,5449.11 h45 r270
Designator1: Bottom Silkscreen Layer "C13" at 6947.11,5454.13 h45 r270
Designator1: Bottom Silkscreen Layer "C14" at 6992.38,5459.64 h45 r270
Designator1: Bottom Silkscreen Layer "C15" at 7149.08,5439.27 h45 r270
Designator1: Bottom Silkscreen Layer "C16" at 7196.32,5451.08 h45 r270
Designator1: Bottom Silkscreen Layer "C17" at 7311.28,5446.25 h45 r270
Designator1: Bottom Silkscreen Layer "C18" at 7345.14,5450.19 h45 r270
Designator1: Bottom Silkscreen Layer "C19" at 7464.04,5445.86 h45 r270
Designator1: Bottom Silkscreen Layer "C20" at 7510.1,5446.25 h45 r270
Designator1: Bottom Silkscreen Layer "C21" at 7617.58,5465.94 h45 r270
Designator1: Bottom Silkscreen Layer "C22" at 7657.11,5453.73 h45 r270
Designator1: Bottom Silkscreen Layer "C23" at 7780.97,5445.17 h45 r270
Designator1: Bottom Silkscreen Layer "C24" at 7824.27,5455.01 h45 r270
Designator1: Bottom Silkscreen Layer "C25" at 7931.75,5459.84 h45 r270
Designator1: Bottom Silkscreen Layer "C26" at 7985.69,5460.92 h45 r270
Designator1: Bottom Silkscreen Layer "C27" at 8093.01,5450.19 h45 r270
Designator1: Bottom Silkscreen Layer "C28" at 8136.48,5446.25 h45 r270
Designator1: Bottom Silkscreen Layer "C29" at 8250.66,5451.87 h45 r270
Designator1: Bottom Silkscreen Layer "C30" at 8289.44,5449.67 h45 r270
Designator1: Bottom Silkscreen Layer "R11" at 6861.13,8882.89 h45 r180
Designator1: Bottom Silkscreen Layer "R12" at 6913.8,8775.94 h45
Designator1: Bottom Silkscreen Layer "C104" at 7663.08,8511.24 h45
Designator1: Bottom Silkscreen Layer "C105" at 7663.75,8231.76 h45
Designator1: Bottom Silkscreen Layer "C106" at 7663.31,7946.78 h45
Designator1: Bottom Silkscreen Layer "C107" at 7668.51,7645.9 h45
Designator1: Bottom Silkscreen Layer "U107" at 6244.72,8931.78 h45
Designator1: Bottom Silkscreen Layer "R13" at 6308.32,8932.41 h45 r90
Designator1: Bottom Silkscreen Layer "U108" at 5584.43,8870.6 h45